# Altium PCB slave.PcbDoc (part 2 of 5)
Units mil, origin at the board's own origin, x right, y up, seen from the top; angles counter-clockwise.
Board outline 6299.21 x 3937.01 mil, 6 copper layers (Top Copper, FUSED_VBAT-, Signal Layer 2, Signal Layer 3, VREG, Bot Copper), stack 65.749 mil thick; 419 components, 272 nets, 1250 pads, 1624 vias.
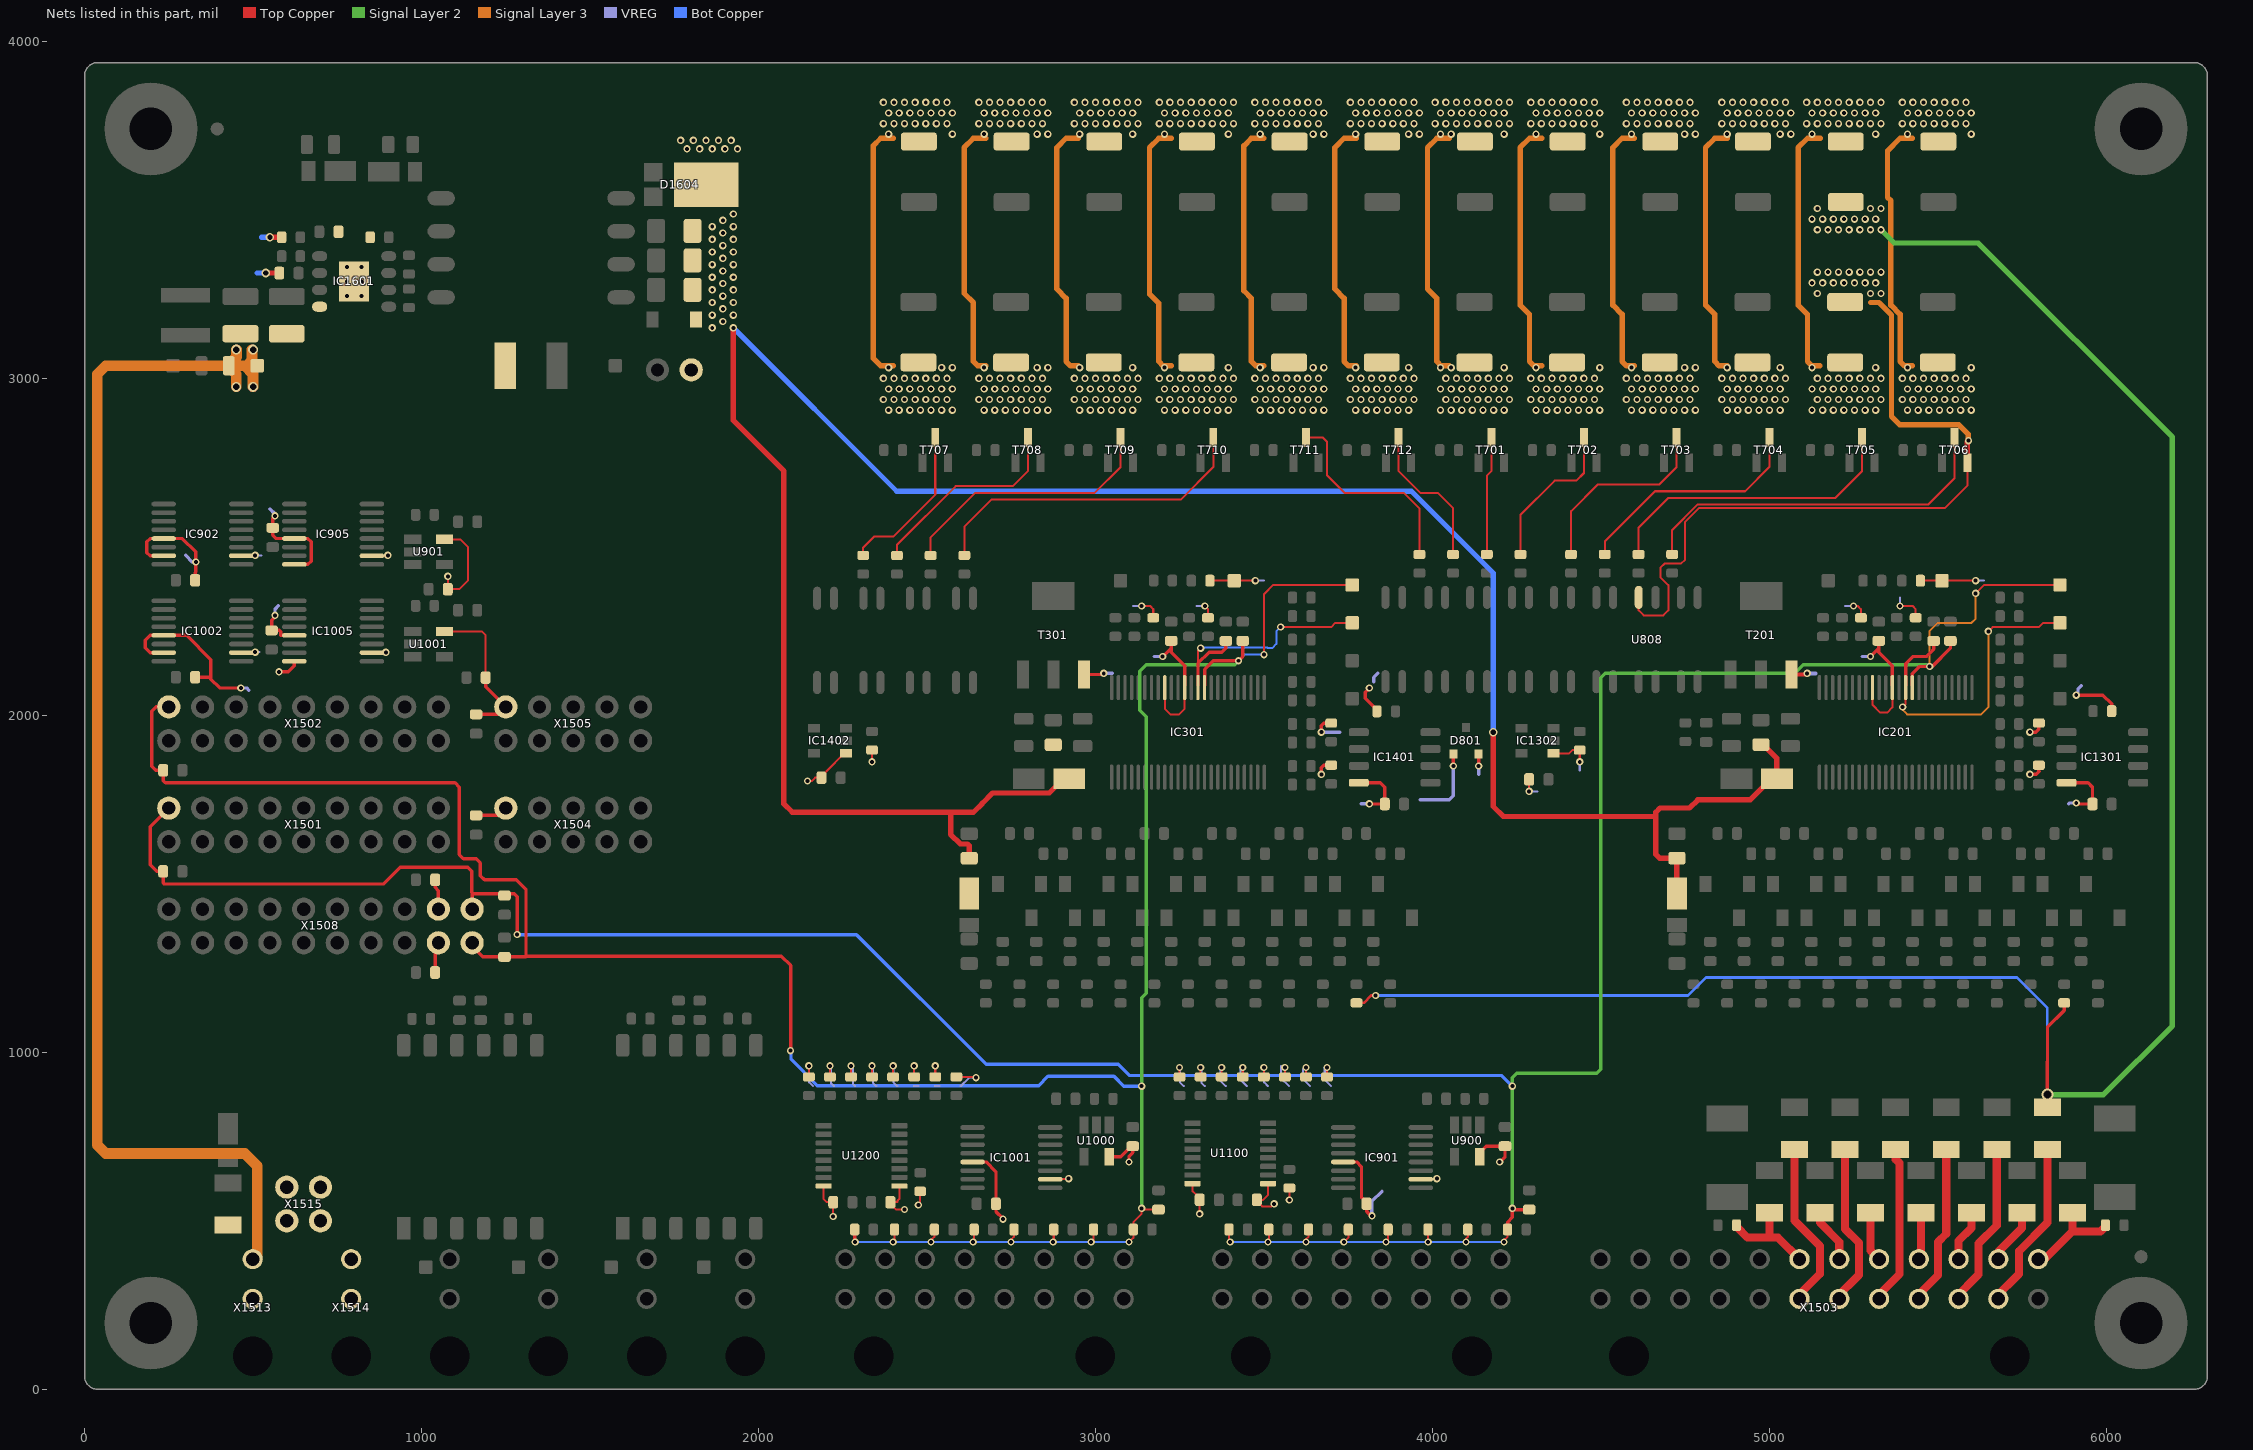
[diagram p6: the nets of this part, all layers, seen from the top]

## Part data (continued)
C1608 C1609 C1610: library part gen_C_ceramic_4u7_100V_X7S_1206, "MLCC", Capacitance=4u7, Case EIA=1206, Case Metric=3216, Dielectric=X7S, Rated Voltage=100V, Supplier Part Number 1=478-8719-1-ND, Automotive Qualified=False, AVT Set=x, Part Number=gen_C_ceramic_4u7_100V_X7S_1206, Supplier 1=Digikey
D201 D301 D1601 D1603: library part CMP-2000-05099-1, "1 A High Voltage Schottky Barrier Rectifier, 0.62 V, -55 to 175 degC, 2- Pin POWERDI123, Pb-Free, Tape and Reel", Average Rectified Current-Max=1A, Forward Voltage=0.77V, Manufacturer="Diodes Inc", Peak Current-Max=40A, Reverse Current-Max=1µA, Reverse Voltage-Max [Vrrm]=100V, Datasheet URL=https://datasheet.ciiva.com/15144/getdatasheetpartid-44146-15144126.pdf, Datasheet Version=Sep-14, Manufacturer URL=http://www.diodes.com/
D202 D302: library part CMP-0548-00258-2, "Transient Voltage Suppressor, 6.40 to 231 V, 60 V Stand-off Voltage, Uni-Directional, -55 to 155 degC, 2-pin DO-214AC, Pb-Free, Tape and Reel", Manufacturer="Vishay Semiconductor", Operating Junction and Storage Temperature Range="-55 to 150 degC", ComponentLink1Description="Manufacturer URL", ComponentLink1URL=http://www.vishay.com/, ComponentLink2Description=Datasheet, ComponentLink2URL=http://www.vishay.com/docs/88390/smaj50a.pdf, ComponentLink3Description="Package Specification", ComponentLink3URL=http://www.vishay.com/docs/88390/smaj50a.pdf, DatasheetVersion=12/8/2013, ID (uA)=1, IFSM="40 A", Mounting Technology="Surface Mount", PackageDescription="2-Pin DO-214AC (SMA), Body 4.245 x 2.665 mm", PackageReference=DO-214AC-2, Packing="Tape and Reel", PartNumber=SMAJ60A-E3/61, PPPM (W)="400, 300", RoHS=TRUE, VBR Uni-Directional (V)="6.4 to 231", VWM (V)=60
D801: library part CMP-2000-04915-1, "Schottky Barrier Diode, 30 V, 3-Pin SOT23, RoHS, Tape and Reel", Current Ifsm=600mA, Diode Case Style=SOT-23, Forward Current If(AV)=200mA, Forward Voltage=800mV, Junction Temperature Tj Max=125degC, Manufacturer="NXP Semiconductors", Operating Temperature Max=150degC, Operating Temperature Min=-65degC, Operating Temperature Range=-65degCto+150degC, Package Description="3-Pin Small Outline Transistor, Body 1.3 x 2.9 mm, Pitch 0.95 mm", Package Reference=SOT23-3, Package Version=Feb-16, Repetitive Reverse Voltage Vrrm Max=30V, Common Connection=Cathode, Datasheet URL=https://datasheet.ciiva.com/33723/1668625-33723936.pdf, Datasheet Version="Rev. 5 , 10/2012", Diode Type=Schottky, Forward Surge Current Ifsm Max=600mA, Forward Voltage VF Max=800mV, Manufacturer URL=http://www.nxp.com/, No. of Pins=3, Package / Case=SOT-23, Package URL=http://www.nxp.com/documents/outline_drawing/SOT23.pdf, Pin Configuration=1A1,2A2,3comK, Reel Quantity=3000, Reverse Recovery Time trr Max=5ns, Reverse Recovery Time trr Typ=5ns, SMD Marking=L43/*W1, SVHC=NoSVHC(19-Dec-2012), Tape Width=8mm, Termination Type=SMD
D1602: "Zener Diode 36V", Manufacturer="DIODES Inc", Operating Temperature="-55°C - +150°C", Part Name=DFLZ36, Supplier Part Number 1=DFLZ36-7DICT-ND, Automotive Qualified=False, ComponentLink1Description=Datasheet, ComponentLink1URL=https://www.diodes.com/assets/Datasheets/ds30464.pdf, Part Number=DFLZ36-7, Supplier 1=Digikey
D1604: library part PDS3200-13, "Schottky Diode 3A 200V 780mV", Breakdown Voltage=200V, Continuous Forward Current=3A, Manufacturer="DIODES Inc", Operating Temperature="-65°C - +150°C", Supplier Part Number 1=1713904, Automotive Qualified=False, ComponentLink1Description=Datasheet, ComponentLink1URL=http://www.farnell.com/datasheets/2238298.pdf, Part Name=PDS3200, Part Number=PDS3200-13, Supplier 1=Farnell
D1605: library part CMP-1060-00377-1, "Zener Voltage Regulator, 500 mW, 2-Pin SOD-123, Pb-Free, Tape and Reel", Manufacturer="On Semiconductor", ComponentLink1Description="Manufacturer URL", ComponentLink1URL=http://www.onsemi.com/, ComponentLink2Description=Datasheet, ComponentLink2URL=http://www.onsemi.com/pub_link/Collateral/MMSZ5221BT1-D.PDF, ComponentLink3Description="Package Specification", ComponentLink3URL=http://www.onsemi.com/pub_link/Collateral/425-04.PDF, DatasheetVersion="Rev. 12", Mounting Technology="Surface Mount", PackageDescription="2-Pin SOD, Body 1.6 x 2.69 mm", PackageReference=SOD-123-2-425-04, PackageVersion="Rev. G, 10/2009", Packing="Tape and Reel", PartNumber=MMSZ5263BT1G, P Max (W)=0.5, RoHS=Pb-Free, VZ Typ (V)=56
Designator26 Designator27 Designator28 Designator29: library part Hole_3.2_Iso
F401 F415: "Fuse, Surface Mount, NANO2 Series, 500 mA, 125 VAC, 32 VDC, Very Fast Acting, SMD", Manufacturer=Littlefuse, Operating Temperature="-55°C - +125°C", Supplier Part Number 1=1596919, Automotive Qualified=False, ComponentLink1Description=Datasheet, ComponentLink1URL=http://www.farnell.com/datasheets/1792947.pdf, Part Number=fuse_0.5A_0448.500MR, Supplier 1=Farnell
F402 F403 F404 F405 F406 F407 F408 F409 F410 F411 F412 F413 F414: "Fuse, Surface Mount, 466 Series, 250 mA, 125 VAC, 125 VDC, Very Fast Acting, 1206", Manufacturer=Littlefuse, Operating Temperature="-55°C - +90°C", Supplier Part Number 1=9921826, Automotive Qualified=False, ComponentLink1Description=Datasheet, ComponentLink1URL=http://www.farnell.com/datasheets/1796765.pdf, Part Number=fuse_0.25A_0466.250NR, Supplier 1=Farnell
F1601: "Fuse, Surface Mount, 466 Series, 1.25 A, 63 VAC, 63 VDC, Very Fast Acting, 1206", Manufacturer=Littlefuse, Operating Temperature="-55°C - +90°C", Supplier Part Number 1=1596526, Automotive Qualified=False, ComponentLink1Description=Datasheet, ComponentLink1URL=http://www.farnell.com/datasheets/1796765.pdf, Part Number=fuse_1.25A_04661.25NR, Supplier 1=Farnell
IC201 IC301: "Multicell Battery Monitor, 60 V Vin MAX, 48-pin SOP (G-48), -40 to 125 degC, Pb-Free", Manufacturer="Linear Technology", Operating Temperature="-40°C - +125°C", Supplier Part Number 1=LTC6811HG-1#PBF-ND, Automotive Qualified=False, Battery Chemistry="Li-Ion, Li-Polymer, NiMH", ComponentLink1Description=Datasheet, ComponentLink1URL=https://cds.linear.com/docs/en/datasheet/68111fb.pdf, ComponentLink2Description=Datasheet, ComponentLink2URL=http://cds.linear.com/docs/en/datasheet/680412f.pdf, ComponentLink3Description="Package Specification", ComponentLink3URL=http://cds.linear.com/docs/en/packaging/05081887_0_G48.pdf, Mounting Technology="Surface Mount", Number of Cells="> 1000 V of stacked Li-Ion cells", PackageDescription="48-Pin Plastic SSOP, Body 12.8 x 5.3 mm, Pitch 0.5 mm", PackageReference=G-48, PackageVersion="Rev. Ø, 01/2011", Part Name=LTC6811HG-1#PBF, Part Number=LTC6811HG-1#PBF, PartNumber=LTC6811HG-1#PBF, RoHS=TRUE, Supplier 1=Digikey, Type of Charger="Battery Stack Monitor", Vin Max(V)=60
IC901 IC902 IC905 IC1001 IC1002 IC1005: library part CMP-0798-00197-1, "CMOS, Low Voltage, 2-Wire Serially Controlled, Matrix Switch, -40 to 85 degC, 16-pin SOP (RU-16), Tube", Manufacturer="Analog Devices", Bandwidth (Hz)=65M, Code_JEDEC=MO-153AB, ComponentLink1Description="Manufacturer URL", ComponentLink1URL=http://www.analog.com/en/index.html, ComponentLink2Description=Datasheet, ComponentLink2URL=http://www.analog.com/static/imported-files/data_sheets/ADG728_729.pdf, ComponentLink3Description="Package Specification", ComponentLink3URL=http:/www.analog.com/static/imported-files/packages/36244347913743854010197452789RU16.pdf, DatasheetVersion="Rev. C", Max Analog Signal Range="0 to Vdd", Mounting Technology="Surface Mount", PackageDescription="16-Pin Thin Shrink Small Outline Package, Body 5 x 4.4 mm, Pitch 0.65 mm", PackageReference=RU-16, PackageVersion=Nov-02, Packing=Tube, PartNumber=ADG728BRUZ, Ron (ohms)=2.5, Supply V Guar Performance="Single_(+3V), Single_(+5V)"
IC1301 IC1401: "Automotive 2-Mbit serial I²C  / bus EEPROM with 1 MHz clock", Manufacturer=STMicroelectronics, Operating Temperature="-40°C - +125°C", PnP Package=SO8N, Supplier Part Number 1=497-16238-1-ND, Automotive Qualified=True, ComponentLink1Description=Datasheet, ComponentLink1URL=http://www.st.com/content/ccc/resource/technical/document/datasheet/83/f4/3e/e4/4e/49/42/c5/DM00200595.pdf/files/DM00200595.pdf/jcr:content/translations/en.DM00200595.pdf, Part Name=M24M02-DWMN3TP/K, Part Number=M24M02-DWMN3TP/K, Supplier 1=Digikey, Supplier 2=Mouser, Supplier Part Number 2=511-M24M02-DWMN3TP/K
IC1302 IC1402: library part CMP-0192-00211-1, "2-Wire High-Accuracy Temperature Sensor, Slave Address 000, 5-Pin SOT-23, -55°C to +125°C Temperature, Tape and Reel", Code_IPC=SOT23-5, DatasheetVersion="revD, Nov-2010", PackageDescription="5-Lead Plastic Small Outline Transistor (OT) [SOT-23]", PackageReference=SOT-23-OT5, PackageVersion="revBB, Aug-2009"
IC1601: library part CMP-0492-02715-1, "Micropower No-Opto Isolated Flyback Converter, 2.8 to 42 V, -40 to 150 degC, 8-Pin SOIC (S8E), RoHS, Tube", Output Current="3.6 A", PartNumber=LT8302, Temperature Max="150 degC", Temperature Min="-40 degC", ComponentLink1Description="Manufacturer URL", ComponentLink1URL=http://www.linear.com/, ComponentLink2Description=Datasheet, ComponentLink2URL=http://cds.linear.com/docs/en/datasheet/8302fa.pdf, ComponentLink3Description="Package Specification", ComponentLink3URL=http://cds.linear.com/docs/en/packaging/05081857_A_S8E.pdf, DatasheetVersion="Rev. A", Mounting Technology="Surface Mount", Number of Outputs=1, PackageDescription="8-Pin Plastic Small Outline Integrated Circuit Package, Body 4.90 x 3.90 mm, Pitch 1.27 mm", PackageVersion="Rev. A, 10/2013", Packing=Tube, RoHS=TRUE, VIN Max="42 V", VIN Min="2.8 V"
L1601: library part CMP-1354-00028-1, "WE-LQS SMD Power Inductor, L=10 µH", Inductance="10 µH", Manufacturer="Wuerth Elektronik", ComponentLink1Description="Manufacturer URL", ComponentLink1URL=http://www.we-online.com, ComponentLink2Description=Datasheet, ComponentLink2URL=http://katalog.we-online.de/pbs/datasheet/74404042100.pdf, PackageReference="WE-LQS 4018", PartNumber=74404042100
LD201 LD301: library part gen_LED_0603_green, "LED", Breakdown Voltage=5V, Color=green, Continuous Forward Current=20mA, Forward Voltage @ 20mA=2.2V, PnP Package=LED_0603, Supplier Part Number 1=2099223, Automotive Qualified=False, Part Number=gen_LED_0603_green, Supplier 1=Farnell
R201 R301: library part gen_R_0R_0805, "SMD Resistor 0R 0805", Case EIA=0805, Case Metric=2012, Maximum Working Voltage=150V, Operating Temperature="-55°C - +155°C", PnP Package=R_0805, Power=0.125W, Supplier Part Number 1=2057661, Automotive Qualified=False, Part Number=gen_R_0R_0805, PnP Value=0R, Resistance=0R, Series=Jumper, Supplier 1=Farnell
R202 R203 R302 R303: library part gen_R_100R_0805, "SMD Resistor 100R 0805", Case EIA=0805, Case Metric=2012, Maximum Working Voltage=150V, Operating Temperature="-55°C - +155°C", PnP Package=R_0805, Power=0.125W, Supplier Part Number 1=1469862, Tolerance=1%, Automotive Qualified=False, Part Number=gen_R_100R_0805, PnP Value=100R, Resistance=100R, Series="E24, E96", Supplier 1=Farnell
R204 R207 R304 R307: library part gen_R_120R_0603, "SMD Resistor 120R 0603", Case EIA=0603, Case Metric=1608, Maximum Working Voltage=75V, Operating Temperature="-55°C - +155°C", PnP Package=R_0603, Power=0.1W, Supplier Part Number 1=2073369, Tolerance=1%, Automotive Qualified=False, Part Number=gen_R_120R_0603, PnP Value=120R, Resistance=120R, Series=E24, Supplier 1=Farnell
R205 R305: library part gen_R_270R_0603, "SMD Resistor 270R 0603", Case EIA=0603, Case Metric=1608, Maximum Working Voltage=75V, Operating Temperature="-55°C - +155°C", PnP Package=R_0603, Power=0.1W, Supplier Part Number 1=2141320, Tolerance=1%, Automotive Qualified=False, Part Number=gen_R_270R_0603, PnP Value=270R, Resistance=270R, Series=E24, Supplier 1=Farnell
R206 R306: library part gen_R_820R_0603, "SMD Resistor 820R 0603", Case EIA=0603, Case Metric=1608, Maximum Working Voltage=75V, Operating Temperature="-55°C - +155°C", PnP Package=R_0603, Power=0.1W, Supplier Part Number 1=1469841, Tolerance=1%, Automotive Qualified=False, Part Number=gen_R_820R_0603, PnP Value=820R, Resistance=820R, Series=E24, Supplier 1=Farnell
R208 R308: library part gen_R_1k21_0603, "SMD Resistor 1k21 0603", Case EIA=0603, Case Metric=1608, Maximum Working Voltage=75V, Operating Temperature="-55°C - +155°C", PnP Package=R_0603, Power=0.1W, Supplier Part Number 1=1652852, Tolerance=1%, Automotive Qualified=False, Part Number=gen_R_1k21_0603, PnP Value=1k21, Resistance=1k21, Series=E96, Supplier 1=Farnell
R209 R210 R211 R212 R213 R214 R215 R216 R217 R218 R220 R221 R309 R310 R311 R312 R313 R314 R315 R316 R317 R318 R320 R321 SJ401 SJ402: library part gen_R_0R_0603, "SMD Resistor 0R 0603", Case EIA=0603, Case Metric=1608, Maximum Working Voltage=75V, Operating Temperature="-55°C - +155°C", PnP Package=R_0603, Power=0.1W, Supplier Part Number 1=2073345, Automotive Qualified=False, Part Number=gen_R_0R_0603, PnP Value=0R, Resistance=0R, Series=Jumper, Supplier 1=Farnell
R219 R319: library part gen_R_1M_0603, "SMD Resistor 1M 0603", Case EIA=0603, Case Metric=1608, Maximum Working Voltage=75V, Operating Temperature="-55°C - +155°C", PnP Package=R_0603, Power=0.1W, Supplier Part Number 1=1469746, Tolerance=1%, Automotive Qualified=False, Part Number=gen_R_1M_0603, PnP Value=1M, Resistance=1M, Series="E24, E96", Supplier 1=Farnell
R222 R223 R322 R323: library part gen_R_1k2_0603, "SMD Resistor 1k2 0603", Case EIA=0603, Case Metric=1608, Maximum Working Voltage=75V, Operating Temperature="-55°C - +155°C", PnP Package=R_0603, Power=0.1W, Supplier Part Number 1=2073370, Tolerance=1%, Automotive Qualified=False, Part Number=gen_R_1k2_0603, PnP Value=1k2, Resistance=1k2, Series=E24, Supplier 1=Farnell
R501 R502 R503 R504 R505 R506 R507 R508 R509 R510 R511 R512 R513 R601 R602 R603 R604 R605 R606 R607 R608 R609 R610 R611 R612 R613 R909 R910 R1009 R1010: library part gen_R_100R_0603, "SMD Resistor 100R 0603", Case EIA=0603, Case Metric=1608, Maximum Working Voltage=75V, Operating Temperature="-55°C - +155°C", PnP Package=R_0603, Power=0.1W, Supplier Part Number 1=1469752, Tolerance=1%, Automotive Qualified=False, Part Number=gen_R_100R_0603, PnP Value=100R, Resistance=100R, Series="E24, E96", Supplier 1=Farnell
R701 R702 R703 R704 R705 R706 R707 R708 R709 R710 R711 R712 R719 R720 R721 R722 R723 R724 R725 R726 R727 R728 R729 R730: library part gen_R_68R_2010, "SMD Resistor 68R 2010", Case EIA=2010, Case Metric=5025, Maximum Working Voltage=200V, Operating Temperature="-55°C - +155°C", PnP Package=R_2010, Power=0.75W, Supplier Part Number 1=2323988, Tolerance=1%, Automotive Qualified=False, Part Number=gen_R_68R_2010, PnP Value=68R, Resistance=68R, Series=E24, Supplier 1=Farnell
R713 R714 R715 R716 R717 R718 R731 R732 R733 R734 R735 R736: library part gen_R_3k3_0603, "SMD Resistor 3k3 0603", Case EIA=0603, Case Metric=1608, Maximum Working Voltage=75V, Operating Temperature="-55°C - +155°C", PnP Package=R_0603, Power=0.1W, Supplier Part Number 1=1469793, Tolerance=1%, Automotive Qualified=False, Part Number=gen_R_3k3_0603, PnP Value=3k3, Resistance=3k3, Series=E24, Supplier 1=Farnell
R801 R802 R803 R804 R805 R806 R807 R808 R809 R810 R811 R812: library part gen_R_150R_0603, "SMD Resistor 150R 0603", Case EIA=0603, Case Metric=1608, Maximum Working Voltage=75V, Operating Temperature="-55°C - +155°C", PnP Package=R_0603, Power=0.1W, Supplier Part Number 1=1469760, Tolerance=1%, Automotive Qualified=False, Part Number=gen_R_150R_0603, PnP Value=150R, Resistance=150R, Series="E24, E96", Supplier 1=Farnell
R813 R901 R902 R903 R904 R905 R906 R907 R908 R1001 R1002 R1003 R1004 R1005 R1006 R1007 R1008 R1100 R1101 R1102 R1103 R1104 R1105 R1106 R1107 R1108 R1200 R1201 R1202 R1203 R1204 R1205 R1206 R1207 R1208 R1301 R1302 R1401 R1402 R1606: library part gen_R_10k_0603, "SMD Resistor 10k 0603", Case EIA=0603, Case Metric=1608, Maximum Working Voltage=75V, Operating Temperature="-55°C - +155°C", PnP Package=R_0603, Power=0.1W, Supplier Part Number 1=2073349, Tolerance=1%, Part Number=gen_R_10k_0603, PnP Value=10k, Resistance=10k, Series="E24, E96", Supplier 1=Farnell
  R813 R901 R902 R903 R904 R905 R906 R907 R908 R1001 R1002 R1003 R1004 R1005 R1006 R1007 R1008 R1101 R1102 R1103 R1104 R1105 R1106 R1107 R1108 R1201 R1202 R1203 R1204 R1205 R1206 R1207 R1208 R1301 R1302 R1401 R1402 R1606: Automotive Qualified=False
  R1100 R1200: Automotive Qualified=True
R1601: library part gen_R_390k_0603, "SMD Resistor 390k 0603", Case EIA=0603, Case Metric=1608, Maximum Working Voltage=75V, Operating Temperature="-55°C - +155°C", PnP Package=R_0603, Power=0.1W, Supplier Part Number 1=2303278, Tolerance=1%, Automotive Qualified=False, Part Number=gen_R_390k_0603, PnP Value=390k, Resistance=390k, Series=E24, Supplier 1=Farnell
R1602: library part gen_R_86k6_0603, "SMD Resistor 86k6 0603", Case EIA=0603, Case Metric=1608, Maximum Working Voltage=75V, Operating Temperature="-55°C - +155°C", PnP Package=R_0603, Power=0.1W, Supplier Part Number 1=2059490, Tolerance=1%, Automotive Qualified=False, Part Number=gen_R_86k6_0603, PnP Value=86k6, Resistance=86k6, Series=E96, Supplier 1=Farnell
R1603: library part gen_R_39R_0805, "SMD Resistor 39R 0805", Case EIA=0805, Case Metric=2012, Maximum Working Voltage=150V, Operating Temperature="-55°C - +155°C", PnP Package=R_0805, Power=0.125W, Supplier Part Number 1=1750736, Tolerance=1%, Automotive Qualified=False, Part Number=gen_R_39R_0805, PnP Value=39R, Resistance=39R, Series=E24, Supplier 1=Farnell
R1604: library part gen_R_115k_0603, "SMD Resistor 115k 0603", Case EIA=0603, Case Metric=1608, Maximum Working Voltage=75V, Operating Temperature="-55°C - +155°C", PnP Package=R_0603, Power=0.1W, Supplier Part Number 1=2073367, Tolerance=1%, Automotive Qualified=False, Part Number=gen_R_115k_0603, PnP Value=115k, Resistance=115k, Series=E96, Supplier 1=Farnell
R1605: library part gen_R_127k_0603, "SMD Resistor 127k 0603", Case EIA=0603, Case Metric=1608, Maximum Working Voltage=75V, Operating Temperature="-55°C - +155°C", PnP Package=R_0603, Power=0.1W, Supplier Part Number 1=2059500, Tolerance=1%, Automotive Qualified=False, Part Number=gen_R_127k_0603, PnP Value=127k, Resistance=127k, Series=E96, Supplier 1=Farnell
T201 T301: "150 V, 1 A NPN high-voltage low V / CEsat /  (BISS) transistor", Manufacturer=Nexperia, Maximum Continous Drain Current (25°C)=1A, Maximum Drain-Source Voltage=150V, Operating Temperature="-55°C - +150°C", Part Name=NPN, Supplier Part Number 1=1829309, Automotive Qualified=True, ComponentLink1Description=Datasheet, ComponentLink1URL=http://www.farnell.com/datasheets/609423.pdf, Part Number=PBHV8115Z, Supplier 1=Farnell
T701 T702 T703 T704 T705 T706 T707 T708 T709 T710 T711 T712: library part CMP-1259-00090-1, "P-Channel Trench MOSFET, -20 V, -2 A, -55 to 150 degC, 3-Pin SOT23, Tape and Reel", Manufacturer="NXP Semiconductors", Automotive Qualified=Y, Channel Type=P, Code_JEDEC=TO-236AB, ComponentLink1Description="Manufacturer URL", ComponentLink1URL=http://www.nxp.com/, ComponentLink2Description=Datasheet, ComponentLink2URL=http://www.nxp.com/documents/data_sheet/NX2301P.pdf, ComponentLink3Description="Package Specification", ComponentLink3URL=http://www.nxp.com/documents/outline_drawing/sot023_po.pdf, DatasheetVersion="Rev. 1", ID [max] (A)=-2, IDM [max] (A)=-6, Mounting Technology="Surface Mount", PackageDescription="3-Pin Small Outline Transistor Package, Body 2.9 x 1.3 mm, Pitch 0.95 mm", PackageReference=SOT23, PackageVersion="06-03-16, 03/2006", Packing="Tape & Reel", PartNumber=NX2301P,215, VDS [max] (V)=-20, VGSth [typ] (V)=-0.75
TP201 TP203 TP204 TP205 TP206 TP207 TP209 TP210 TP301 TP303 TP304 TP305 TP306 TP307 TP309 TP310 TP1601 TP1602 TP1603: "Testpoint, square", Part Number=Testpoint_Square
TR201 TR301: "Pulse HM2102NL BMS Transformer", Manufacturer=Pulse, Operating Temperature="-40°C - +125°C", Supplier Part Number 1=673-HM2102NL, Automotive Qualified=True, ComponentLink1Description=Datasheet, ComponentLink1URL=https://www.mouser.com/ds/2/336/HM2102NL-1218600.pdf, Part Number=HM2102NL, Supplier 1=Mouser, Supplier 2=Digikey, Supplier Part Number 2=1840-1034-1-ND
TR1601: "MID-FLYLT Flyback Transformers for Linear Technology", Manufacturer="Würth Elektronik", Supplier Part Number 1=1297-1136-1-ND, Automotive Qualified=False, ComponentLink1Description=Datasheet, ComponentLink1URL=http://katalog.we-online.de/ctm/datasheet/750313457.pdf, ComponentLink2Description=Website, ComponentLink2URL=http://katalog.we-online.de/en/ctm/MID-FLYLT/750313457, Part Number=WE_750313457, Supplier 1=Digikey
U800 U801 U802 U803 U804 U805 U806 U807 U808 U809 U810 U811: library part ACPL-217-56BE, "Optocoupler, Transistor Output, 1 Channel", Manufacturer="Broadcom Limited", Operating Temperature="-55°C - +110°C", Supplier Part Number 1=1602623, Automotive Qualified=False, ComponentLink1Description=Datenblatt, ComponentLink1URL=http://www.farnell.com/datasheets/45634.pdf, Part Name=ACPL-217, Part Number=ACPL-217-56BE, Supplier 1=Farnell
U900 U901 U1000 U1001: library part CMP-0384-01512-2, "Single Channel RRIO Operational Amplifier, 2.5 MHz BW, 1 V/us SR, Industrial, 5-pin SOT23 (RJ-5), Reel", Amplifiers Per Package=1, Generic Part Number=AD8628, Input Bias Current=30pA, Input Offset Voltage=1uV, Manufacturer="Analog Devices", Automotive Qualified=Yes, Code_JEDEC=MO-178-AA, ComponentLink1Description="Manufacturer URL", ComponentLink1URL=http://www.analog.com/en/index.html, ComponentLink2Description=Datasheet, ComponentLink2URL=http://www.analog.com/static/imported-files/data_sheets/AD8628_8629_8630.pdf, ComponentLink3Description="Package Specification", ComponentLink3URL=http://www.analog.com/static/imported-files/packages/PKG_PDF/SOT-23(RJ)/RJ_5.pdf, ComponentLink4Description="Reference Circuit", ComponentLink4URL=http://www.analog.com/en/all-operational-amplifiers-op-amps/operational-amplifiers-op-amps/ad8628/products/product.html#product-recommendations, DatasheetVersion="Rev. I", Iq/Amp=1.1mA, Mounting Technology="Surface Mount", PackageDescription="5-Pin Small Outline Transistor Package, Body 2.9 x 1.6 mm, Pitch 0.95 mm", PackageReference=RJ-5, PackageVersion=121608-A, PartNumber=AD8628ARTZ-R2, RevisionNote="Reference Circuit URL fixed", Slew Rate=1V/us, Small Signal Bandwidth=2.5MHz, V Span Max=6V, V Span Min=2.7V
U1100 U1200: library part CMP-0314-00338-2, "Low-Voltage 8-Bit I2C and SMBus I/O Expander, 1.65 to 5.5 V, -40 to 85 degC, 16-pin TSSOP (PW), Green (RoHS & no Sb/Br)", 5V Tolerant I/O=Yes, Manufacturer="Texas Instruments", Max Frequency(kHz)=400, # of I/Os=8, Code_JEDEC=MO-153, ComponentLink1Description=Datasheet, ComponentLink1URL=http://www.ti.com/general/docs/lit/getliterature.tsp?genericPartNumber=TCA6408A&fileType=pdf, Configuration Registers=Yes, DatasheetVersion=SCPS192C, Eco-Plan="Green (RoHS & no Sb/Br)", fSCLK(Max)(MHz)=400, I2C Address="0100 00x", Interrupt Output=Yes, Low Power=Yes, Mounting Technology="Surface Mount", No. of Outputs=8, PackageDescription="16-Pin Plastic Thin Small Outline Package 5 x 4.4 mm Body ,0.65 mm Pitch", PackageReference=PW0016A, PackageVersion="revG, Feb-2011", PartNumber=TCA6408APWR, Push-Pull I/O Type=Yes, Reset Input=Yes, SubFamily="I2C IO Expander", VCC(Max)(V)=5.5, VCC(Min)(V)=1.65, Vcc range(V)="1.65 to 5.5"
X1501 X1502: "Standard Pinheader, THD, gerade, 2.54mm, 2-reihig", Operating Temperature="-40 °C - +105 °C", Part Name=PinHeader, Rated Current=3A, Rated Voltage=250V, Supplier Part Number 1=2025256, Automotive Qualified=False, Circuits=18, Part Number=gen_pinheader_2.54_2x9, Supplier 1=Farnell
X1503: "Micro-Fit 3.0 Right Angle Header, 3.00mm Pitch, Dual Row, 24 Circuits, with Snap-in Plastic Peg PCB Lock, Tin, Glow Wire Capable, Black, 43045-2400", Manufacturer=Molex, Operating Temperature="-40°C - +105°C", Part Name=MicroFit, Rated Current=8.5A, Rated Voltage=600V, Supplier Part Number 1=1012245, Automotive Qualified=False, Circuits=24, Part Number=molex_microfit_3_12x2_THT, Supplier 1=Farnell
X1504 X1505: "Standard Pinheader, THD, gerade, 2.54mm, 2-reihig", Operating Temperature="-40 °C - +105 °C", Part Name=PinHeader, Rated Current=3A, Rated Voltage=250V, Supplier Part Number 1=2578720, Automotive Qualified=False, Circuits=10, Part Number=gen_pinheader_2.54_2x5, Supplier 1=Farnell
X1506 X1507: "Micro-Fit 3.0 Right Angle Header, 3.00mm Pitch, Dual Row, 16 Circuits, with Snap-in Plastic Peg PCB Lock, Tin, Glow Wire Capable, Black, 43045-1600", Manufacturer=Molex, Operating Temperature="-40°C - +105°C", Part Name=MicroFit, Rated Current=8.5A, Rated Voltage=600V, Supplier Part Number 1=9961380, Automotive Qualified=False, Circuits=16, Part Number=molex_microfit_3_08x2_THT, Supplier 1=Farnell
X1508: "Standard Pinheader, THD, gerade, 2.54mm, 2-reihig", Operating Temperature="-40 °C - +105 °C", Part Name=PinHeader, Rated Current=3A, Rated Voltage=250V, Supplier Part Number 1=2025257, Automotive Qualified=False, Circuits=20, Part Number=gen_pinheader_2.54_2x10, Supplier 1=Farnell
X1509 X1510 X1511 X1512 X1513 X1514: "Micro-Fit 3.0 Right Angle Header, 3.00mm Pitch, Dual Row, 2 Circuits, with Snap-in Plastic Peg PCB Lock, Tin, Glow Wire Capable, Black, 43045-0200", Manufacturer=Molex, Operating Temperature="-40°C - +105°C", Part Name=MicroFit, Rated Current=8.5A, Rated Voltage=600V, Supplier Part Number 1=1012251, Automotive Qualified=False, Circuits=2, Part Number=molex_microfit_3_01x2_THT, Supplier 1=Farnell
X1515: "Board-To-Board Connector, Vertical, 2.54 mm, 4 Contacts, Header, TSW Series, Through Hole, 2 Rows", Manufacturer=Samtec, Operating Temperature="-55°C - +125°C", Part Name=TSW-102-07-G-D, Rated Voltage="500V AC mated with SSW", Supplier Part Number 1=2025248, Automotive Qualified=False, Circuits=4, ComponentLink1Description=Datasheet, ComponentLink1URL=http://www.farnell.com/datasheets/1992055.pdf, Part Number=samtec_TSW-102-07-G-D, Supplier 1=Farnell
X1601: "Standard Pinheader, THD, gerade, 2.54mm", Operating Temperature="-40 °C - +105 °C", Part Name=PinHeader, Rated Current=3A, Rated Voltage=250V, Supplier Part Number 1=2025248, Automotive Qualified=False, Circuits=2, Part Number=gen_pinheader_2.54_2, Supplier 1=Farnell
Z501 Z502 Z503 Z504 Z505 Z506 Z507 Z508 Z509 Z510 Z511 Z512 Z601 Z602 Z603 Z604 Z605 Z606 Z607 Z608 Z609 Z610 Z611 Z612: library part CMP-1060-00434-1, "Zener Voltage Regulator, 500 mW, 2-Pin SOD-123, Pb-Free, Tape and Reel", Manufacturer="On Semiconductor", ComponentLink1Description="Manufacturer URL", ComponentLink1URL=http://www.onsemi.com/, ComponentLink2Description=Datasheet, ComponentLink2URL=http://www.onsemi.com/pub_link/Collateral/MMSZ4678T1-D.PDF, ComponentLink3Description="Package Specification", ComponentLink3URL=http://www.onsemi.com/pub_link/Collateral/425-04.PDF, DatasheetVersion="Rev. 9", Mounting Technology="Surface Mount", PackageDescription="2-Pin SOD, Body 1.6 x 2.69 mm", PackageReference=SOD-123-2-425-04, PackageVersion="Rev. G, 10/2009", Packing="Tape and Reel", PartNumber=MMSZ4692T1G, P Max (W)=0.5, RoHS=Pb-Free, VZ Typ (V)=6.8

## Via types
v1: diameter 21.65, hole 11.81, Top Copper to Bot Copper, tented both sides, 1591 vias
v2: diameter 29.53, hole 19.68, Top Copper to Bot Copper, tented both sides, 16 vias
v3: diameter 35.43, hole 23.62, Top Copper to Bot Copper, 13 vias
v4: diameter 25.59, hole 15.75, Top Copper to Bot Copper, tented both sides, 4 vias

## Nets (pads, with @x,y where several pads share a name; then routed paths per layer and width w, separated by ;. In a path a pad name is that pad's centre, name@x,y a point inside that pad or via, vN(x,y) a via of type N, cw(c..) or ccw(c..) an arc to the next point about the centre after c; other vN are vias at no path point)
+3.0V_VREF1_0: C206.2 IC201.35 TP203.1 | length 988.4
  Top Copper w6: v1(5395,2025) 5403.74,2033.74 IC201.35@5403.74,2088.68 ; v1(5649.21,2249.51) 5661.71,2262.01 5799.21,2262.01 5811.71,2274.51 TP203.1@5861.71,2274.51
  Top Copper w10: IC201.35@5403.74,2088.68 5403.74,2153.74 5424.51,2174.51 5464.51,2174.51 5486.71,2196.71 C206.2@5486.71,2215.45
  Signal Layer 3 w6: v1(5395,2025) 5387.2,2025 5386.71,2024.51 5408.05,2003.17 5627.87,2003.17 5649.21,2024.51 v1(5649.21,2249.51)
+3.0V_VREF1_1: C306.2 IC301.35 TP303.1 | length 736.8
  Top Copper w6: 3303.74,2154.04 3303.74,2191.54 v1(3311.71,2199.51) ; v1(3549.21,2262.01) 3699.21,2262.01 3711.71,2274.51 TP303.1@3761.71,2274.51
  Top Copper w10: IC301.35@3303.74,2088.68 3303.74,2154.04 3336.71,2187.01 3374.21,2187.01 3386.71,2199.51 C306.2@3386.71,2215.45
  Bot Copper w6: v1(3311.71,2199.51) 3314.03,2201.83 3509.04,2201.83 3511.36,2199.51 3524.21,2199.51 3536.71,2212.01 3536.71,2249.51 v1(3549.21,2262.01)
+3.0V_VREF2_0: C205.2 C901.2 C1501.2 C1506.2 IC201.34 R901.2 R902.2 R903.2 R904.2 R905.2 R906.2 R907.2 R908.2 TP204.1 X1501.17 X1508.1 | length 9575.1
  Top Copper w6: R901.2@3395.79,474.31 3395.79,440.43 v1(3399.21,437.01) ; v1(3511.71,437.01) 3513.9,439.2 R902.2@3513.9,474.31 ; v1(3624.21,437.01) 3624.21,444.79 3632.01,452.59 R903.2@3632.01,474.31 ; v1(3736.71,437.01) 3750.12,450.42 R904.2@3750.12,474.31 ; v1(3861.71,437.01) 3868.23,443.53 R905.2@3868.23,474.31 ; R906.2@3986.34,474.31 3986.34,437.38 v1(3986.71,437.01) ; v1(4099.21,437.01) 4099.21,447.35 4104.45,452.59 R907.2@4104.45,474.31 ; v1(4211.71,437.01) 4211.71,441.74 4222.56,452.59 R908.2@4222.56,474.31 ; v1(5611.71,2362.01) 5636.71,2387.01 TP204.1@5861.71,2387.01
  Top Copper w10: X1501.17@250,1725 195,1670 195,1556.41 214.4,1537.01 C1501.2@233.17,1537.01 233.17,1503.05 236.71,1499.51 886.71,1499.51 936.71,1549.51 1136.71,1549.51 1149.21,1537.01 1149.21,1474.51 1150,1473.72 ; X1508.1@1150,1425 1150,1473.72 ; v1(1283.59,1349.51) 1283.59,1462.01 1274.53,1471.06 1152.66,1471.06 1150,1473.72 ; R908.2@4222.56,474.31 4222.56,496.03 4236.71,510.18 v1(4236.71,537.01) 4240.25,533.47 C901.2@4286.71,533.47 ; IC201.34@5423.43,2088.68 5423.43,2123.72 5436.71,2137.01 5444.7,2145 v1(5475,2145) 5482.2,2145 5536.71,2199.51 C205.2@5536.71,2215.45
  Signal Layer 2 w10: v1(4236.71,537.01) v1(4236.71,899.51) 4236.71,925 4249.21,937.5 4487.5,937.5 4499.21,949.21 4499.21,2112.01 4511.71,2124.51 5074.51,2124.51 5100,2150 5470,2150 v1(5475,2145)
  Signal Layer 3 w6: v1(5475,2145) 5475,2248.72 5474.21,2249.51 5499.21,2274.51 5599.21,2274.51 5611.71,2287.01 v1(5611.71,2362.01)
  Bot Copper w6: v1(3399.21,437.01) v1(3511.71,437.01) v1(3624.21,437.01) v1(3736.71,437.01) v1(3861.71,437.01) v1(3986.71,437.01) v1(4099.21,437.01) v1(4211.71,437.01)
  Bot Copper w10: v1(1283.59,1349.51) 2290.51,1349.51 2675.2,964.83 3067.47,964.83 3101.13,931.17 4205.05,931.17 v1(4236.71,899.51)
+3.0V_VREF2_1: C305.2 C1001.2 C1502.2 C1507.2 IC301.34 R1001.2 R1002.2 R1003.2 R1004.2 R1005.2 R1006.2 R1007.2 R1008.2 TP304.1 X1502.17 X1508.2 | length 8110.1
  Top Copper w6: v1(2399.21,437.01) 2403.4,441.2 R1002.2@2403.4,474.31 ; v1(2511.71,437.01) 2511.71,442.79 2521.51,452.59 R1003.2@2521.51,474.31 ; v1(2636.71,437.01) 2639.63,439.93 R1004.2@2639.63,474.31 ; v1(2749.21,437.01) 2749.21,444.06 2757.74,452.59 R1005.2@2757.74,474.31 ; v1(2874.21,437.01) 2875.85,438.65 R1006.2@2875.85,474.31 ; v1(2986.71,437.01) 2993.96,444.26 R1007.2@2993.96,474.31 ; v1(3099.21,437.01) 3112.07,449.87 R1008.2@3112.07,474.31 3112.07,496.03 3136.71,520.67 v1(3136.71,537.01) 3140.25,533.47 C1001.2@3186.71,533.47 ; v1(3500,2180) 3500,2360 3527.01,2387.01 TP304.1@3761.71,2387.01
  Top Copper w10: C1502.2@227.66,1837.01 211.71,1837.01 199.21,1849.51 199.21,2012.01 212.2,2025 X1502.17@250,2025 ; C1502.2@233.17,1837.01 233.17,1806.34 240,1799.51 1099.21,1799.51 1111.71,1787.01 1111.71,1587.01 1124.21,1574.51 1161.71,1574.51 1174.21,1562.01 1174.21,1524.51 1186.71,1512.01 1280.46,1512.01 1310,1482.47 1310,1283.47 ; X1508.2@1150,1325 1150,1315 1181.53,1283.47 C1507.2@1246.09,1283.47 1310,1283.47 ; v1(2095,1005) 2095,1257.8 2067.8,1285 1311.53,1285 1310,1283.47 ; R1001.2@2285.29,474.31 2285.29,438.43 v1(2286.71,437.01) ; IC301.34@3323.43,2088.68 3323.43,2136.22 3349.21,2162.01 v1(3424.21,2162.01) 3436.71,2174.51 C305.2@3436.71,2215.45
  Signal Layer 2 w10: v1(3136.71,537.01) v1(3136.71,899.51) 3137.5,900.3 3137.5,1162.5 3150,1175 3150,1996.3 3131.17,2015.13 3131.17,2131.17 3150,2150 3412.5,2150 3424.21,2161.71 v1(3424.21,2162.01)
  Bot Copper w6: v1(2286.71,437.01) v1(2399.21,437.01) v1(2511.71,437.01) v1(2636.71,437.01) v1(2749.21,437.01) v1(2874.21,437.01) v1(2986.71,437.01) v1(3099.21,437.01) ; v1(3424.21,2162.01) 3442.2,2180 v1(3500,2180)
  Bot Copper w10: v1(2095,1005) 2096.34,1003.66 2096.34,979.17 2174.34,901.17 2831.08,901.17 2858.73,928.83 3054.69,928.83 3084,899.51 v1(3136.71,899.51)
+5.0V_VREG_0: C203.2 C902.2 C903.2 C906.2 C907.2 C908.2 C1100.2 C1101.2 C1301.2 C1302.2 C1503.2 C1505.2 D801.2 IC201.37 IC201.40 IC901.2 IC901.13 IC902.2 IC902.13 IC902.15 IC905.2 IC905.13 IC905.16 IC1301.8 IC1302.1 LD201.2 R219.2 R221.2 R222.2 R223.2 R1100.1 R1101.2 R1102.2 R1103.2 R1104.2 R1105.2 R1106.2 R1107.2 R1108.2 R1301.2 R1302.2 T201.3 TP205.1 U900.5 U901.5 U1100.1 U1100.16 X1504.9 X1508.3 | length 4370.7
  Top Copper w6: IC902.2@464,2473.5 504.75,2473.5 v1(506.25,2475) ; IC905.2@851.5,2473.5 898.5,2473.5 v1(900,2475) ; U901.5@1067.91,2522.4 1114.31,2522.4 1138,2498.71 1138,2401 1111.51,2374.51 C907.2@1077.75,2374.51 v1(1077.75,2412.5) ; R1108.2@3249.21,927.07 v1(3249.21,955) ; U1100.16@3287.8,610.43 3287.8,587.6 3308.96,566.44 C1101.2@3308.96,562.5 v1(3308.96,520.88) ; R1107.2@3311.71,927.07 v1(3311.71,955) ; R1106.2@3374.21,927.07 v1(3374.21,955) ; R1105.2@3436.71,927.07 v1(3436.71,955) ; R1104.2@3499.21,927.07 v1(3499.21,955) ; U1100.1@3512.2,610.43 3512.2,577.4 3497.31,562.5 C1100.2@3478.54,562.5 3478.54,558.56 3493.97,543.13 3522.64,543.13 v1(3530,550.49) ; R1103.2@3561.71,927.07 v1(3561.71,955) ; v1(3575,561.96) R1100.1@3575,597.44 ; R1102.2@3624.21,927.07 v1(3624.21,955) ; R1101.2@3686.71,927.07 v1(3686.71,955) ; IC901.2@3964,623.5 IC901.2@3965.16,623.52 4011.02,623.52 v1(4012.5,625) ; v1@4136.61,1849.61 v1(4136.71,1849.51) ; C1302.2@4286.46,1810 4286.46,1774.76 v1(4286.71,1774.51) ; IC1302.1@4358.95,1887.11 4405.15,1887.11 4414.99,1896.95 R1301.2@4436.71,1896.95 ; v1(4436.71,1862.01) R1301.2@4436.71,1894.98 ; v1(5249.21,2324.51) 5261.71,2324.51 5271.09,2315.13 R219.2@5271.09,2291.54 ; IC201.40@5305.31,2088.68 5305.31,2030.91 5328.05,2008.17 5349.04,2008.17 5364.37,2023.5 IC201.37@5364.37,2088.68 ; v1(5386.71,2324.51) 5424.21,2324.51 5433.59,2315.13 R221.2@5433.59,2291.54 ; LD201.2@5441.24,2399.51 LD201.2@5447.56,2399.51 TP205.1@5511.71,2399.51 v1(5611.71,2399.51)